# KiCad board ImogenWren.kicad_pcb
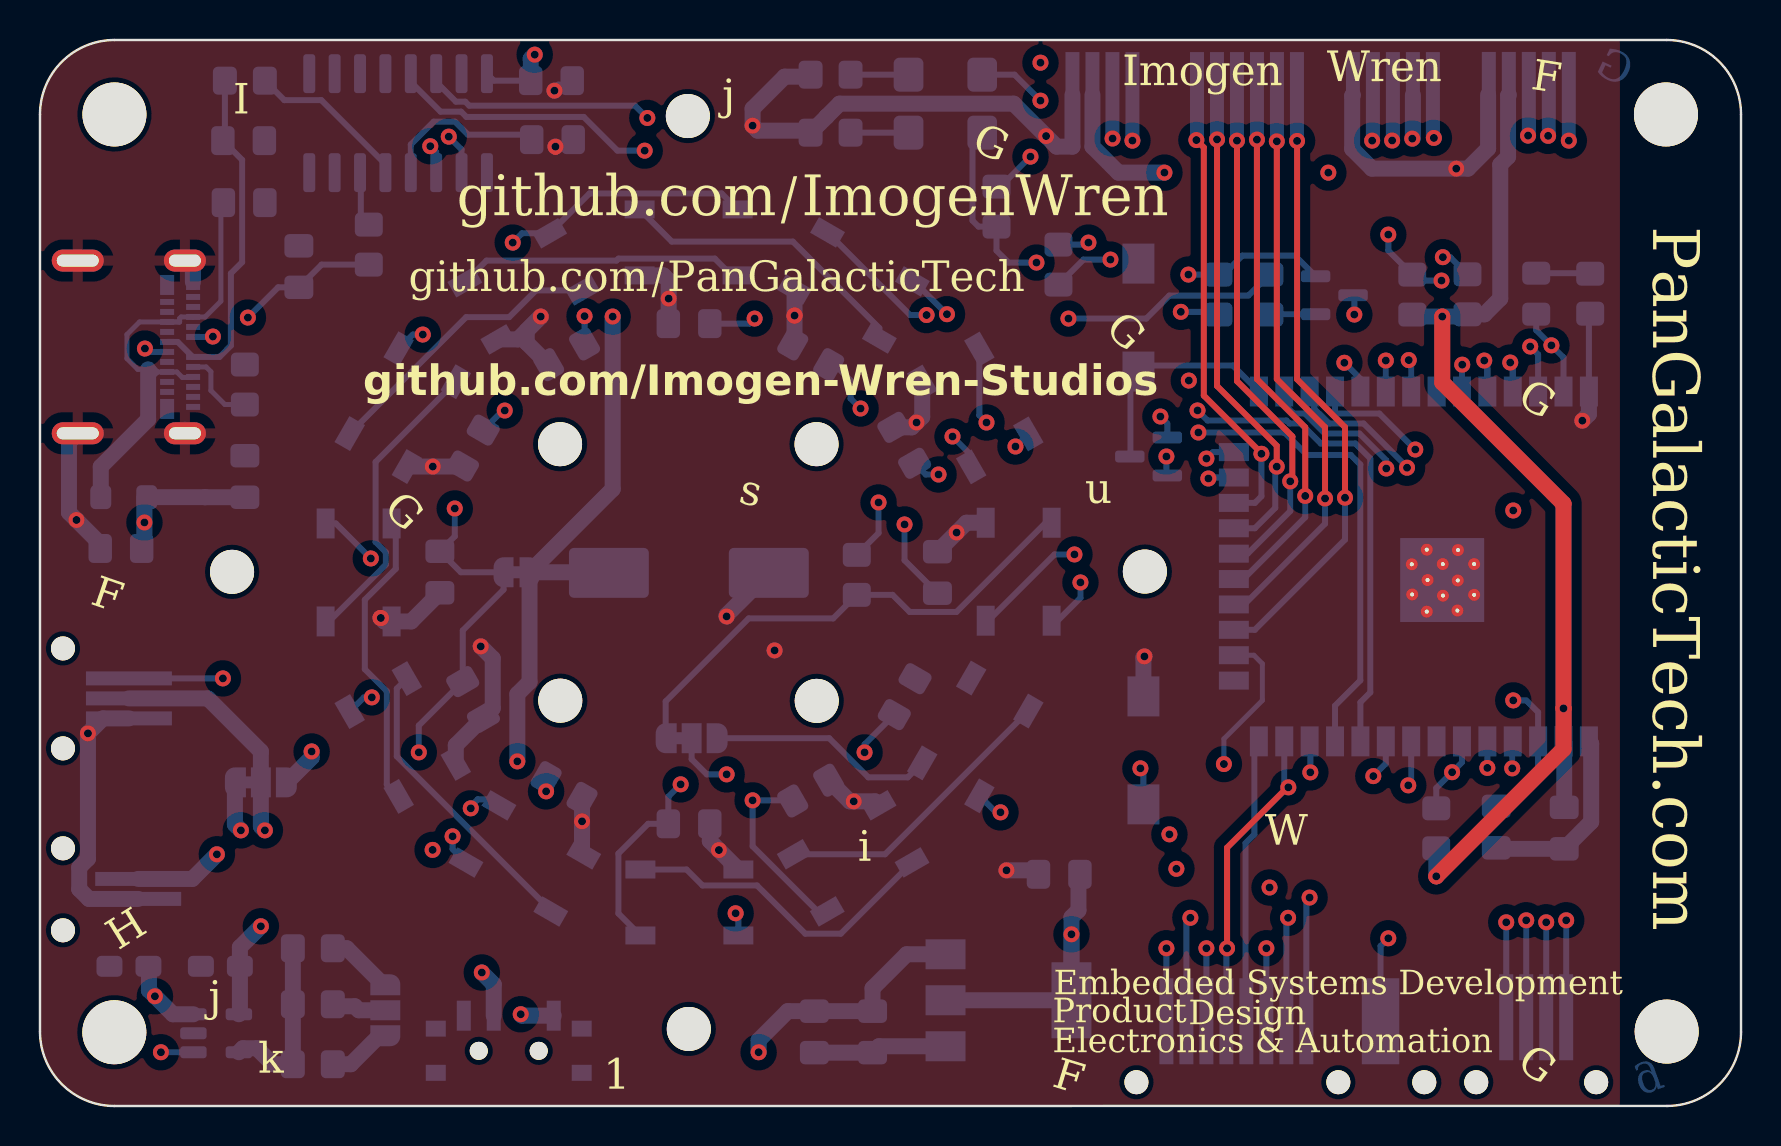
[diagram p0: board, top side]
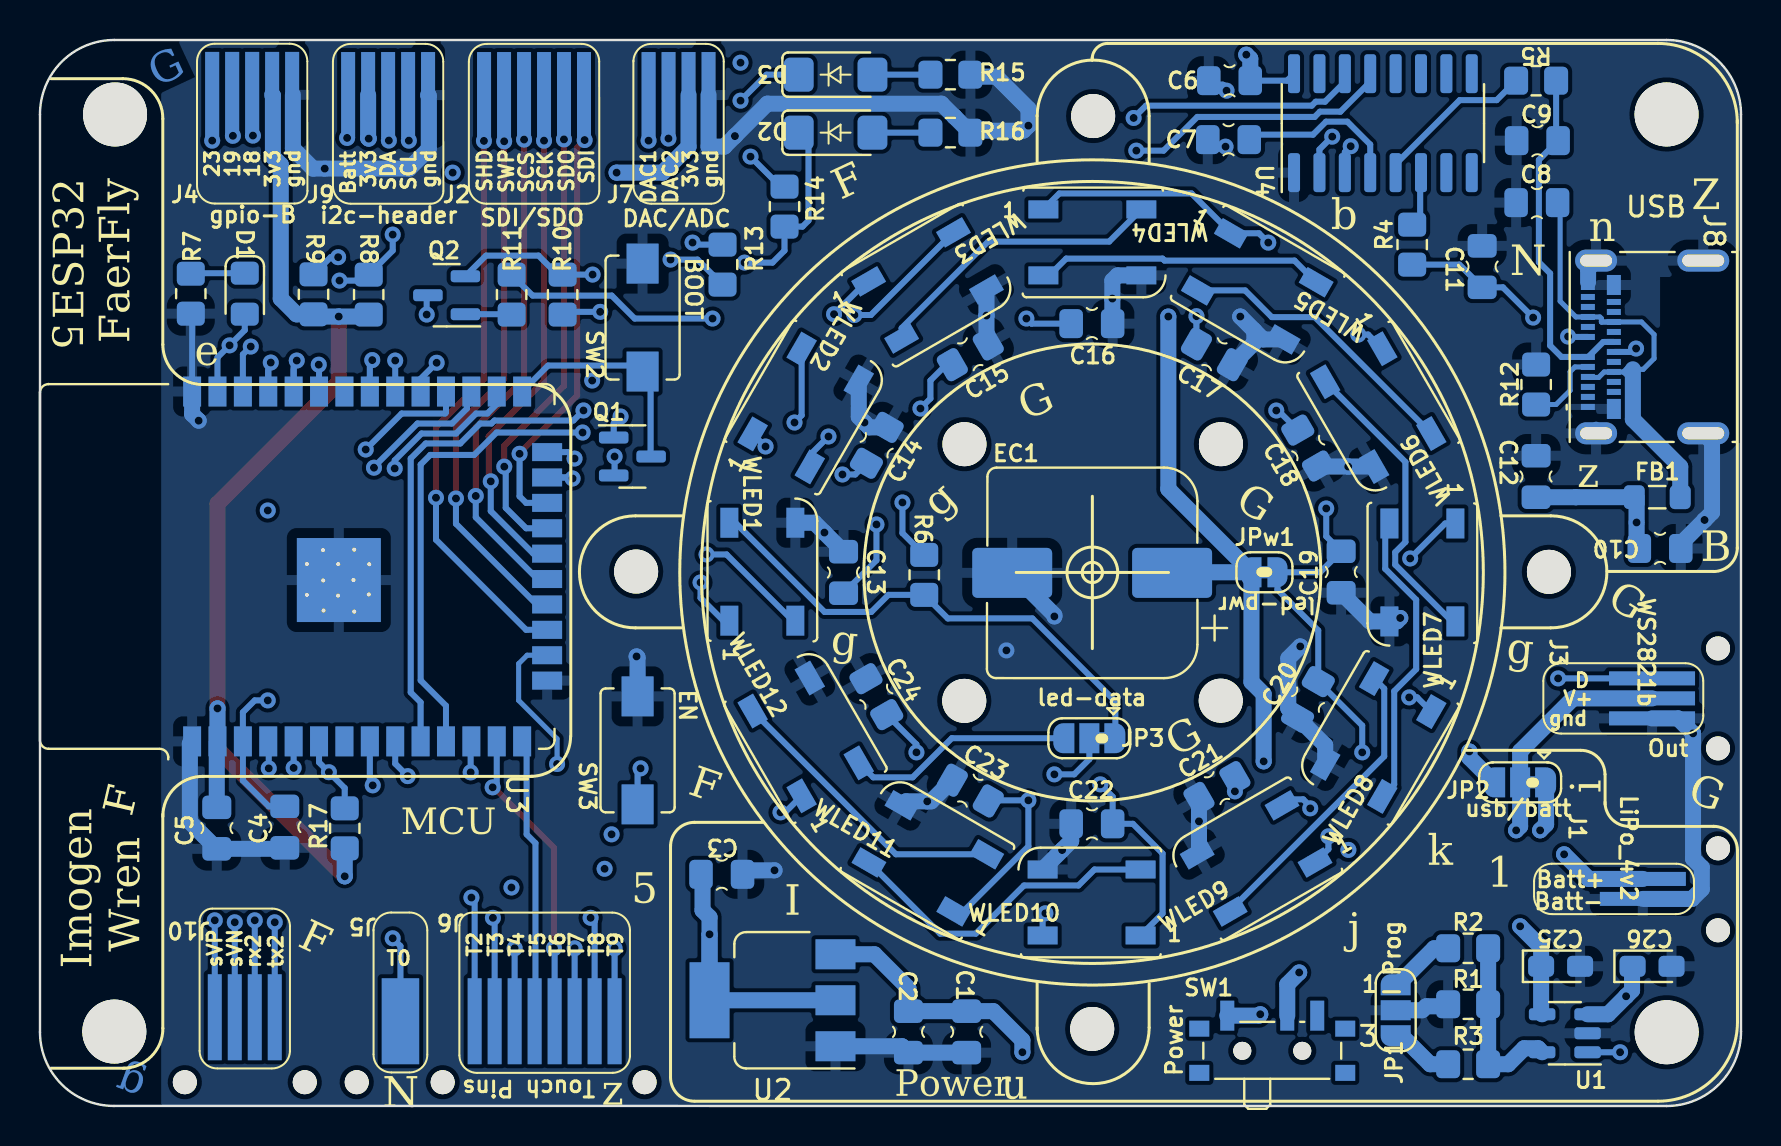
[diagram p1: board, bottom side, seen from below]

Outline 85.1 x 53.33 mm; copper layers: Top, In1.Cu, In2.Cu, Bottom. Coordinates in mm from the lower left corner of the outline.
Stack: Top 0.035mm / dielectric 0.1mm FR4 er 4.5 / In1.Cu 0.035mm / dielectric 1.24mm FR4 er 4.5 / In2.Cu 0.035mm / dielectric 0.1mm FR4 er 4.5 / Bottom 0.035mm

## Placement (name value [footprint] x y rotation side)
C1  100n  [C_0805_2012_HandSolder_kawaii]  38.74 3.71 270 bottom
C2  100n  [C_0805_2012_HandSolder_kawaii]  41.65 3.71 270 bottom
C3  100n  [C_0805_2012_HandSolder_kawaii]  50.99 11.59 180 bottom
C4  100n  [C_0805_2012_HandSolder_kawaii]  72.85 13.95 270 bottom
C5  100n  [C_0805_2012_HandSolder_kawaii]  76.25 13.9 270 bottom
C6  100n  [C_0805_2012_HandSolder_kawaii]  25.59 51.29 0 bottom
C7  100n  [C_0805_2012_HandSolder_kawaii]  25.64 48.34 0 bottom
C8  10n  [C_0805_2012_HandSolder_kawaii]  10.21 45.19 0 bottom
C9  47p  [C_0805_2012_HandSolder_kawaii]  10.19 48.29 0 bottom
C10  100n  [C_0805_2012_HandSolder_kawaii]  4.05 27.89 180 bottom
C11  47p  [C_0805_2012_HandSolder_kawaii]  12.95 41.99 90 bottom
C12  4n7  [C_0805_2012_HandSolder_kawaii]  10.25 31.49 90 bottom
C13  100n  [C_0805_2012_HandSolder_kawaii]  44.9 26.69 90 bottom
C14  100n  [C_0805_2012_HandSolder_kawaii]  43.23 33.05 120 bottom
C15  100n  [C_0805_2012_HandSolder_kawaii]  38.56 37.6 150 bottom
C16  100n  [C_0805_2012_HandSolder_kawaii]  32.47 39.14 180 bottom
C17  100n  [C_0805_2012_HandSolder_kawaii]  26.34 37.6 210 bottom
C18  100n  [C_0805_2012_HandSolder_kawaii]  21.66 32.91 240 bottom
C19  100n  [C_0805_2012_HandSolder_kawaii]  20 26.71 270 bottom
C20  100n  [C_0805_2012_HandSolder_kawaii]  21.67 20.33 300 bottom
C21  100n  [C_0805_2012_HandSolder_kawaii]  26.22 15.91 330 bottom
C22  100n  [C_0805_2012_HandSolder_kawaii]  32.47 14.12 0 bottom
C23  100n  [C_0805_2012_HandSolder_kawaii]  38.56 15.78 30 bottom
C24  100n  [C_0805_2012_HandSolder_kawaii]  43.26 20.48 60 bottom
C25  4u7  [CP_EIA-2012-12_Kemet-R_Pad1.30x1.05mm_HandSolder]  9.03 6.99 180 bottom
C26  4u7  [CP_EIA-2012-12_Kemet-R_Pad1.30x1.05mm_HandSolder]  4.45 6.99 180 bottom
D1  Blue  [LED_0805_2012_Kawaii]  74.85 40.63 270 bottom
D2  BZV55B3V3  [D_MiniMELF_kawaii]  45.3 48.69 180 bottom
D3  BZV55B3V3  [D_MiniMELF_kawaii]  45.3 51.59 180 bottom
EC1  1000u  [CP_Elec_10x10_kawaii]  32.46 26.67 0 bottom
FB1  FerriteBead  [L_0805_2012Metric_Pad1.05x1.20mm_HandSolder]  4.19 30.46 0 bottom
G***  LOGO  [ImogenWren70_MSK]  36.85 25.79 0 top
J1  LiPo_4v2  [2-pin-edge]  4.37 11.38 90 bottom
J2  SDI/SDO  [6-pin-edge-touch]  59.87 50.04 0 bottom
J3  WS2821b  [3-pin-edge]  5.92 20.24 90 bottom
J4  gpio-B  [5-pin-edge-touch]  75.4 50.13 0 bottom
J5  touch0  [1-pin-edge-touch-xl]  67.65 4.24 180 bottom
J6  Touch Pins  [8-pin-edge-touch]  63.35 4.24 180 bottom
J7  DAC/ADC  [4-pin-edge]  53.65 49.89 0 bottom
J8  USB_C_Receptacle  [USB_C_Receptacle_Molex_105450-0101]  4.45 37.97 90 bottom
J9  i2c-header  [5-pin-edge-touch]  68.6 50.12 0 bottom
J10  ESPpin1-4  [4-pin-edge]  74.35 5.12 180 bottom
JP1  I Prog  [SolderJumper-3_P1.3mm_Open_RoundedPad1.0x1.5mm_NumberLabels]  17.28 4.79 270 bottom
JP2  usb/batt  [SolderJumper-3_P1.3mm_Bridged12_RoundedPad1.0x1.5mm]  11.05 16.19 0 bottom
JP3  led-data  [SolderJumper-3_P1.3mm_Bridged12_RoundedPad1.0x1.5mm]  32.6 18.4 0 bottom
JPw1  led-pwr  [SolderJumper-2_P1.3mm_Bridged_RoundedPad1.0x1.5mm]  23.84 26.7 180 bottom
Q1  BC817  [SOT-23]  55.46 32.49 180 bottom
Q2  BC817  [SOT-23]  64.75 40.56 0 bottom
R1  10k  [R_0805_2012Metric_Pad1.20x1.40mm_HandSolder]  13.65 5.09 0 bottom
R2  10k  [R_0805_2012Metric_Pad1.20x1.40mm_HandSolder]  13.65 7.89 0 bottom
R3  4k7  [R_0805_2012Metric_Pad1.20x1.40mm_HandSolder]  13.65 2.09 0 bottom
R4  27r  [R_0805_2012Metric_Pad1.20x1.40mm_HandSolder]  16.45 43.09 270 bottom
R5  27r  [R_0805_2012Metric_Pad1.20x1.40mm_HandSolder]  10.25 51.29 180 bottom
R6  470r  [R_0805_2012Metric_Pad1.20x1.40mm_HandSolder]  40.86 26.57 90 bottom
R7  330r  [R_0805_2012Metric_Pad1.20x1.40mm_HandSolder]  77.55 40.63 270 bottom
R8  10k  [R_0805_2012Metric_Pad1.20x1.40mm_HandSolder]  68.65 40.59 90 bottom
R9  10k  [R_0805_2012Metric_Pad1.20x1.40mm_HandSolder]  71.41 40.6 90 bottom
R10  10k  [R_0805_2012Metric_Pad1.20x1.40mm_HandSolder]  58.95 40.59 270 bottom
R11  10k  [R_0805_2012Metric_Pad1.20x1.40mm_HandSolder]  61.5 40.59 270 bottom
R12  5k2  [R_0805_2012Metric_Pad1.20x1.40mm_HandSolder]  10.25 36.09 270 bottom
R13  1k  [R_0805_2012Metric_Pad1.20x1.40mm_HandSolder]  50.95 42.09 270 bottom
R14  1k  [R_0805_2012Metric_Pad1.20x1.40mm_HandSolder]  47.85 44.99 270 bottom
R15  100r  [R_0805_2012Metric_Pad1.20x1.40mm_HandSolder]  39.55 51.59 0 bottom
R16  100r  [R_0805_2012Metric_Pad1.20x1.40mm_HandSolder]  39.55 48.69 0 bottom
R17  1k  [R_0805_2012Metric_Pad1.20x1.40mm_HandSolder]  69.85 13.89 270 bottom
REF**  -  [MountingHole_2.1mm_1]  1.15 12.89 0 top
REF**#2  -  [MountingHole_2.1mm_1]  69.25 1.19 0 top
REF**#3  -  [MountingHole_2.1mm_1]  64.95 1.19 0 top
REF**#4  -  [MountingHole_2.1mm_1]  1.15 17.89 0 top
REF**#5  -  [MountingHole_2.2mm_M2]  55.27 26.74 0 top
REF**#6  -  [MountingHole_2.1mm_1]  77.85 1.19 0 top
REF**#7  -  [MountingHole_2.1mm_1]  1.15 8.79 0 top
REF**#8  -  [cu_heart]  59.6 46.46 0 top
REF**#9  -  [MountingHole_2.2mm_M2]  32.46 3.85 0 top
REF**#10  -  [MountingHole_2.2mm_M2]  9.61 26.72 0 top
REF**#11  -  [MountingHole_2.2mm_M2]  32.41 49.52 0 top
REF**#12  -  [MountingHole_2.1mm_1]  1.15 22.89 0 top
REF**#13  -  [CreditCard_M3]  40.65 27.29 0 top
REF**#14  -  [MountingHole_2.2mm_M2]  38.86 20.27 0 top
REF**#15  -  [MountingHole_2.2mm_M2]  38.85 33.11 0 top
REF**#16  -  [MountingHole_2.2mm_M2]  26.02 33.11 0 top
REF**#17  -  [MountingHole_2.2mm_M2]  26.03 20.28 0 top
REF**#18  -  [MountingHole_2.1mm_1]  54.85 1.19 0 top
REF**#19  -  [MountingHole_2.1mm_1]  71.85 1.19 0 top
SW1  SW_SPDT_small  [SW_SPDT_PCM12]  23.45 3.09 180 bottom
SW2  BOOT  [SW_SPST_EVQPE1]  54.95 39.44 90 bottom
SW3  EN  [SW_SPST_EVQPE1]  55.2 17.79 90 bottom
U1  MCP73831-2-OT  [SOT-23-5]  8.81 3.64 0 bottom
U2  AMS1117-3.3  [SOT-223-3_TabPin2_1]  48.45 5.29 0 bottom
U3  ESP32-WROOM-32  [ESP32-WROOM-32_KAWAII]  69.24 26.99 90 bottom
U4  CH340C  [SOIC-16_3.9x9.9mm_P1.27mm]  17.92 49.16 90 bottom
WLED1  WS2812B  [LED_WS2812B_PLCC4_5.0x5.0mm_P3.2mm]  48.96 26.73 90 bottom
WLED2  WS2812B  [LED_WS2812B_PLCC4_5.0x5.0mm_P3.2mm]  46.79 34.92 120 bottom
WLED3  WS2812B  [LED_WS2812B_PLCC4_5.0x5.0mm_P3.2mm]  40.69 41.05 150 bottom
WLED4  WS2812B  [LED_WS2812B_PLCC4_5.0x5.0mm_P3.2mm]  32.45 43.2 180 bottom
WLED5  WS2812B  [LED_WS2812B_PLCC4_5.0x5.0mm_P3.2mm]  24.2 41 210 bottom
WLED6  WS2812B  [LED_WS2812B_PLCC4_5.0x5.0mm_P3.2mm]  18.15 34.93 240 bottom
WLED7  WS2812B  [LED_WS2812B_PLCC4_5.0x5.0mm_P3.2mm]  15.94 26.69 270 bottom
WLED8  WS2812B  [LED_WS2812B_PLCC4_5.0x5.0mm_P3.2mm]  18.15 18.43 300 bottom
WLED9  WS2812B  [LED_WS2812B_PLCC4_5.0x5.0mm_P3.2mm]  24.26 12.38 330 bottom
WLED10  WS2812B  [LED_WS2812B_PLCC4_5.0x5.0mm_P3.2mm]  32.49 10.18 0 bottom
WLED11  WS2812B  [LED_WS2812B_PLCC4_5.0x5.0mm_P3.2mm]  40.68 12.39 30 bottom
WLED12  WS2812B  [LED_WS2812B_PLCC4_5.0x5.0mm_P3.2mm]  46.79 18.46 60 bottom

## Library data of the parts
C1-C24 = -: Description: Unpolarized capacitor
C25 C26 EC1 = -: Description: Polarized capacitor
D1 = -: Description: Light emitting diode
D2 D3 = -: Description: 3.3V, 500mW, 2%, Zener diode, MiniMELF
FB1 = -: Description: Ferrite bead
J1 = -: Description: PCI Express bus connector x1; PIN1: Batt-; PIN2: Batt+; Field6: PCB Thickness 1.57 mm
J2 = -: Description: PCI Express bus connector x1; PIN1: SDI; PIN2: SDO; PIN3: SCK; PIN4: SCS; PIN5: SWP; PIN6: SHD; Field10: PCB Thickness 1.57 mm
J3 = -: Description: PCI Express bus connector x1; PIN1: gnd; PIN2: V+; PIN3: D; Field7: PCB Thickness 1.57 mm
J4 = -: Description: PCI Express bus connector x1; PIN1: gnd; PIN2: 3v3; PIN3: 18; PIN4: 19; PIN5: 23; Field9: PCB Thickness 1.57 mm
J5 = -: Description: PCI Express bus connector x1; PIN1: T0; Field5: PCB Thickness 1.57 mm
J6 = -: Description: PCI Express bus connector x1; PIN1: T2; PIN2: T3; PIN3: T4; PIN4: T5; PIN5: T6; PIN6: T7; PIN7: T8; PIN8: T9; Field12: PCB Thickness 1.57 mm
J7 = -: Description: PCI Express bus connector x1; PIN1: gnd; PIN2: 3v3; PIN3: DAC_2; PIN4: DAC_1; Field8: PCB Thickness 1.57 mm
J8 = -: Description: USB Full-Featured Type-C Receptacle connector
J9 = -: Description: PCI Express bus connector x1; PIN1: GND; PIN2: SCL; PIN3: SDA; PIN4: 3v3; PIN5: Batt; Field9: PCB Thickness 1.57 mm
J10 = -: Description: PCI Express bus connector x1; PIN1: sVP; PIN2: sVN; PIN3: rx2; PIN4: tx2; Field8: PCB Thickness 1.57 mm
JP1 = -: Description: Solder Jumper, 3-pole, open
JP2 JP3 = -: Description: Jumper, 3-pole, pins 1+2 closed/bridged
JPw1 = -: Description: Jumper, 2-pole, open
Q1 Q2 = -: Description: 0.8A Ic, 45V Vce, NPN Transistor, SOT-23
R1-R17 = -: Description: Resistor
SW1 = -: Description: Switch, single pole double throw; NAME: Power
SW2 SW3 = -: Description: MEC 5E single pole normally-open tactile switch
U1 = -: Description: Single cell, Li-Ion/Li-Po charge management controller, 4.20V, Tri-State Status Output, in SOT23-5 package
U2 = -: Description: 1A Low Dropout regulator, positive, 3.3V fixed output, SOT-223
U3 = -: Description: RF Module, ESP32-D0WDQ6 SoC, Wi-Fi 802.11b/g/n, Bluetooth, BLE, 32-bit, 2.7-3.6V, onboard antenna, SMD
U4 = -: Description: USB serial converter, UART, SOIC-16
WLED1-WLED12 = -: Description: RGB LED with integrated controller

## Footprints (pads in the part's own frame, mm; a bottom-side part is the same pattern mirrored in y, then rotated)
1-pin-edge-touch-xl
  rect 1.874x4.3 smd: A1(0.587,0)
2-pin-edge
  rect 0.7x4.3 smd: A1(-1.02,0.54) A2(-0.02,0.54)
3-pin-edge
  rect 0.7x4.3 smd: A1(-0.85,-1.47) A2(0.15,-1.47) A3(1.15,-1.47)
4-pin-edge
  rect 0.7x4.3 smd: A1(-2,-0.68) A2(-1,-0.68) A3(0,-0.68) A4(1,-0.68)
5-pin-edge-touch
  rect 0.7x4.3 smd: A1(-2.92,-0.45) A2(-1.92,-0.45) A3(-0.92,-0.45) A4(0.08,-0.45) A5(1.08,-0.45)
6-pin-edge-touch
  rect 0.7x4.3 smd: A1(-1.988,-0.53) A2(-0.988,-0.53) A3(0.012,-0.53) A4(1.012,-0.53) A5(2.012,-0.53) A6(3.012,-0.53)
8-pin-edge-touch
  rect 0.7x4.3 smd: A1(0,0) A2(1,0) A3(2,0) A4(3,0) A5(4,0) A6(5,0) A7(6,0) A8(7,0)
C_0805_2012_HandSolder_kawaii
  rrect 1.175x1.45 smd: 1(-1.038,0) 2(1.038,0)
CP_EIA-2012-12_Kemet-R_Pad1.30x1.05mm_HandSolder
  rrect 1.3x1.05 smd: 1(-0.975,0) 2(0.975,0)
CP_Elec_10x10_kawaii
  rrect 4x2.5 smd: 1(-4,0) 2(4,0)
CreditCard_M3
  round 3.2 hole 3.2 unplated: (-36.93,-23.6) (-36.925,22.31) (40.69,22.31) (40.726,-23.566)
D_MiniMELF_kawaii
  rrect 1.48x1.7 smd: 1(-1.84,0)
  rrect 1.49x1.7 smd: 2(1.845,0)
ESP32-WROOM-32_KAWAII
  rect 1.5x0.9 smd: 1(-8.75,8.25) 2(-8.75,6.98) 3(-8.75,5.71) 4(-8.75,4.44) 5(-8.75,3.17) 6(-8.75,1.9) 7(-8.75,0.63) 8(-8.75,-0.64) 9(-8.75,-1.91) 10(-8.75,-3.18) 11(-8.75,-4.45) 12(-8.75,-5.72) 13(-8.75,-6.99) 14(-8.75,-8.26) 25(8.75,-8.26) 26(8.75,-6.99) 27(8.75,-5.72) 28(8.75,-4.45) 29(8.75,-3.18) 30(8.75,-1.91) 31(8.75,-0.64) 32(8.75,0.63) 33(8.75,1.9) 34(8.75,3.17) 35(8.75,4.44) 36(8.75,5.71) 37(8.75,6.98) 38(8.75,8.25)
  rect 0.9x1.5 smd: 15(-5.71,-9.51) 16(-4.44,-9.51) 17(-3.17,-9.51) 18(-1.9,-9.51) 19(-0.63,-9.51) 20(0.64,-9.51) 21(1.91,-9.51) 22(3.18,-9.51) 23(4.45,-9.51) 24(5.72,-9.51)
  round 0.6 hole 0.2: 39(-2.26,0.14) 39(-2.205,1.673) 39(-1.46,0.95) 39(-1.42,2.51) 39(-1.4,-0.59) 39(-0.7,1.69) 39(-0.68,0.18) 39(0.11,-0.61) 39(0.12,0.94) 39(0.12,2.51) 39(0.82,1.7) 39(0.84,0.14)
  rect 1.05x1.05 smd: 39(-2.205,-0.615) 39(-2.205,0.91) 39(-2.205,2.435) 39(-0.68,-0.615) 39(-0.68,0.91) 39(-0.68,2.435) 39(0.845,-0.615) 39(0.845,0.91) 39(0.845,2.435)
  rect 4.2x4.2 smd: 39(-0.68,0.91)
L_0805_2012Metric_Pad1.05x1.20mm_HandSolder
  rrect 1.05x1.2 smd: 1(-1.15,0) 2(1.15,0)
LED_0805_2012_Kawaii
  rrect 1.15x1.4 smd: 1(-1.025,0) 2(1.025,0)
LED_WS2812B_PLCC4_5.0x5.0mm_P3.2mm
  rect 1.5x0.9 smd: 1(-2.45,1.65) 2(-2.45,-1.65) 3(2.45,-1.65) 4(2.45,1.65)
MountingHole_2.1mm_1
  round 1.2 hole 1.2 unplated: (0,0)
MountingHole_2.2mm_M2
  round 2.2 hole 2.2 unplated: (0,0)
R_0805_2012Metric_Pad1.20x1.40mm_HandSolder
  rrect 1.2x1.4 smd: 1(-1,0) 2(1,0)
SOIC-16_3.9x9.9mm_P1.27mm
  rrect 1.95x0.6 smd: 1(-2.475,4.445) 2(-2.475,3.175) 3(-2.475,1.905) 4(-2.475,0.635) 5(-2.475,-0.635) 6(-2.475,-1.905) 7(-2.475,-3.175) 8(-2.475,-4.445) 9(2.475,-4.445) 10(2.475,-3.175) 11(2.475,-1.905) 12(2.475,-0.635) 13(2.475,0.635) 14(2.475,1.905) 15(2.475,3.175) 16(2.475,4.445)
SolderJumper-2_P1.3mm_Bridged_RoundedPad1.0x1.5mm
  custom 1x1.5 smd: 1(-0.65,0) 2(0.65,0)
SolderJumper-3_P1.3mm_Bridged12_RoundedPad1.0x1.5mm
  custom 1.05x1.5 smd: 1(-1.3,0) 3(1.3,0)
  rect 1x1.5 smd: 2(0,0)
SolderJumper-3_P1.3mm_Open_RoundedPad1.0x1.5mm_NumberLabels
  custom 1.05x1.5 smd: 1(-1.3,0) 3(1.3,0)
  rect 1x1.5 smd: 2(0,0)
SOT-23
  rrect 1.475x0.6 smd: 1(-0.938,0.95) 2(-0.938,-0.95) 3(0.938,0)
SOT-23-5
  rrect 1.325x0.6 smd: 1(-1.137,0.95) 2(-1.137,0) 3(-1.137,-0.95) 4(1.137,-0.95) 5(1.137,0.95)
SOT-223-3_TabPin2_1
  rect 2x1.5 smd: 1(-3.15,2.3) 2(-3.15,0) 3(-3.15,-2.3)
  rect 2x3.8 smd: 2(3.15,0)
SW_SPDT_PCM12
  rect 1x0.8 smd: (-3.65,-1.43) (-3.65,0.78) (3.65,-1.43) (3.65,0.78)
  round 0.9 hole 0.9 unplated: (-1.5,-0.33) (1.5,-0.33)
  rect 0.7x1.5 smd: 1(-2.25,1.43) 2(0.75,1.43) 3(2.25,1.43)
SW_SPST_EVQPE1
  rect 2x1.6 smd: 1(-2.7,0) 2(2.7,0)
USB_C_Receptacle_Molex_105450-0101
  rect 0.3x0.7 smd: A1(-3,3.215) A2(-2.5,3.215) A3(-2,3.215) A4(-1.5,3.215) A5(-1,3.215) A6(-0.5,3.215) A7(0.5,3.215) A8(1,3.215) A9(1.5,3.215) A10(2,3.215) A11(2.5,3.215) A12(3,3.215) B2(2.25,1.915) B3(1.75,1.915) B4(1.25,1.915) B5(0.75,1.915) B6(0.25,1.915) B7(-0.25,1.915) B8(-0.75,1.915) B9(-1.25,1.915) B10(-1.75,1.915) B11(-2.25,1.915)
  rect 1x0.7 smd: B1(3.1,1.915) B12(-3.1,1.915)
  oval 1.1x2.6 hole 0.6x2.1: S1(-4.32,-2.555) S1(4.32,-2.555)
  oval 1.1x2.1 hole 0.6x1.6: S1(-4.32,2.805) S1(4.32,2.805)

## Nets
/ESP32/3V3_BUS: C3.1 C5.1 J4.A2 J7.A2 J9.A4 R8.1 R9.1 R17.2 U2.2 U3.2
/WS2812b LEDs/5V_IN: C13.1 C14.1 C15.1 C16.1 C17.1 C18.1 C19.1 C20.1 C21.1 C22.1 C23.1 C24.1 JPw1.2 WLED1.1 WLED2.1 WLED3.1 WLED4.1 WLED5.1 WLED6.1 WLED7.1 WLED8.1 WLED9.1 WLED10.1 WLED11.1 WLED12.1
GND: C1.2 C2.2 C3.2 C4.2 C5.2 C6.2 C7.2 C8.2 C9.2 C10.2 C11.2 C12.2 C13.2 C14.2 C15.2 C16.2 C17.2 C18.2 C19.2 C20.2 C21.2 C22.2 C23.2 C24.2 C25.2 C26.2 EC1.2 J1.A1 J3.A1 J4.A1 J7.A1 J8.A1 J8.A12 J8.B1 J8.B12 J8.S1 J9.A1 JP1.2 R1.2 R7.2 R12.1 R15.1 R16.1 SW2.2 SW3.2 U1.2 U2.1 U3.1 U3.15 U3.38 U3.39 U4.1 WLED1.3 WLED2.3 WLED3.3 WLED4.3 WLED5.3 WLED6.3 WLED7.3 WLED8.3 WLED9.3 WLED10.3 WLED11.3 WLED12.3
18: J4.A3 U3.30
19: J4.A4 U3.31
23: D1.2 J4.A5 U3.37
/BATTERY_POWER: C26.1 JP2.1 SW1.1 U1.3
/BATTERY_POWER_BUS: C1.1 C2.1 C6.1 EC1.1 J3.A2 J9.A5 JP2.2 JPw1.1 U2.3 U4.16
/CHARGE_STATUS: R17.1 U1.1 U3.6
/ESP32/D+: R5.1 U4.5
/ESP32/D-: R4.1 U4.6
/ESP32/LED_DATA_OUT: R6.2 U3.29
/ESP32/SSERIAL_RX: J10.A3 U3.28
/ESP32/SSERIAL_TX: J10.A4 U3.27
/ESP32/USB ESP32 CH340 Interface /ESP_EN: C4.1 Q2.3 SW3.1 U3.3
/ESP32/USB ESP32 CH340 Interface /ESP_IO0: Q1.3 SW2.1 U3.25
/ESP32/USB ESP32 CH340 Interface /RxD_B: U3.35 U4.3
/ESP32/USB ESP32 CH340 Interface /TxD_B: U3.34 U4.2
/USB/D+: C9.1 J8.A6 J8.B6 R5.2
/USB/D-: C11.1 J8.A7 J8.B7 R4.2
/USB_POWER: C10.1 C12.1 C25.1 FB1.2 JP2.3 U1.4
/WS2812b LEDs/DATA_IN: JP3.1 R6.1 WLED1.4
/WS2812b LEDs/DATA_OUT: JP3.3 WLED12.2
SCL: J9.A2 R8.2 U3.36
SDA: J9.A3 R9.2 U3.33
Net-(C8-Pad1): C8.1 FB1.1 J8.A4 J8.A9 J8.B4 J8.B9
Net-(D1-K): D1.1 R7.1
Net-(D2-A): D2.2 R16.2
Net-(D2-K): D2.1 R14.2 U3.11
Net-(D3-A): D3.2 R15.2
Net-(D3-K): D3.1 R13.2 U3.10
Net-(J7-PadA3): J7.A3 R14.1
Net-(J7-PadA4): J7.A4 R13.1
Net-(J8-CC1): J8.A5 R12.2
Net-(JP1-A): JP1.1 R2.2
Net-(JP1-B): JP1.3 R3.2
Net-(JP3-C): J3.A3 JP3.2
Net-(Q1-B): Q1.1 R10.2
Net-(Q1-E): Q1.2 R11.1 U4.13
Net-(Q2-B): Q2.1 R11.2
Net-(Q2-E): Q2.2 R10.1 U4.14
Net-(SW1-B): J1.A2 SW1.2
Net-(U1-PROG): R1.1 R2.1 R3.1 U1.5
Net-(U3-GPIO2(T2)): J6.A1 U3.24
Net-(U3-GPIO4(T0)): J5.A1 U3.26
Net-(U3-GPIO12(T5)): J6.A4 U3.14
Net-(U3-GPIO13(T4)): J6.A3 U3.16
Net-(U3-GPIO14(T6)): J6.A5 U3.13
Net-(U3-GPIO15(T3)): J6.A2 U3.23
Net-(U3-GPIO27(T7)): J6.A6 U3.12
Net-(U3-GPIO32(T9)): J6.A8 U3.8
Net-(U3-GPIO33(T8)): J6.A7 U3.9
Net-(U3-SCK/CLK): J2.A3 U3.20
Net-(U3-SCS/CMD): J2.A4 U3.19
Net-(U3-SDI/SD1): J2.A1 U3.22
Net-(U3-SDO/SD0): J2.A2 U3.21
Net-(U3-SENSOR_VN): J10.A2 U3.5
Net-(U3-SENSOR_VP): J10.A1 U3.4
Net-(U3-SHD/SD2): J2.A6 U3.17
Net-(U3-SWP/SD3): J2.A5 U3.18
Net-(U4-V3): C7.1 U4.4
Net-(WLED1-DOUT): WLED1.2 WLED2.4
Net-(WLED2-DOUT): WLED2.2 WLED3.4
Net-(WLED3-DOUT): WLED3.2 WLED4.4
Net-(WLED4-DOUT): WLED4.2 WLED5.4
Net-(WLED5-DOUT): WLED5.2 WLED6.4
Net-(WLED6-DOUT): WLED6.2 WLED7.4
Net-(WLED7-DOUT): WLED7.2 WLED8.4
Net-(WLED8-DOUT): WLED8.2 WLED9.4
Net-(WLED10-DIN): WLED9.2 WLED10.4
Net-(WLED10-DOUT): WLED10.2 WLED11.4
Net-(WLED11-DOUT): WLED11.2 WLED12.4

Pads without a net: J8 A2 A3 A8 A10 A11 B2 B3 B5 B8 B10 B11; SW1 3; U3 7 32; U4 7 8 9 10 11 12 15

## Via types
v1: diameter 0.8, hole 0.4, Top to Bottom, 159 vias

## Routing (per net, layer and track width the routed paths; a pad name or vN(x,y) marks a point on that pad's centre or on a via; arc(x,y) is an arc through that point)
/ESP32/3V3_BUS: length 125.8
  Top w0.8: v1(69.85,11.49) 76.22,17.86 v1(76.22,19.89) 76.22,30.12 70.15,36.19 v1(70.15,39.49)
  In1.Cu w0.8: v1(56.25,46.69) v1(64.45,46.69) 67.45,46.69 68.65,47.89 v1(68.65,48.39) ; v1(69.85,11.49) 68.35,11.49 61.65,4.79 55.4,4.79 v1(51.6,8.59)
  In2.Cu w0.8: v1(70.15,39.49) 69.11,40.53 68.31,40.53 64.45,44.39 v1(64.45,46.69)
  Bottom w0.8: C5.1 76.25,18.2 ; U3.2 v1(76.22,19.89) ; 68.75,39.49 v1(70.15,39.49) 71.3,39.49 ; J4.A2 73.44,50.54 73.44,47.48 73.05,47.09 73.05,40.39 72.26,39.6 R9.1 ; U2.2 52.15,5.29 ; v1(51.6,8.59) U2.2 51.6,9.44 51.95,9.79 51.95,11.51 ; R17.2 v1(69.85,11.49) ; v1(56.25,46.69) 53.95,46.69 52.65,47.99 J7.A2 ; J9.A4 68.68,48.42 v1(68.65,48.39)
/WS2812b LEDs/5V_IN: length 199.4
  In1.Cu w0.3: v1(43.25,29.09) 43.25,29.89 v1(44.95,31.59) 44.45,31.59 41.15,34.89 v1(41.05,34.89) ; v1(19.15,38.59) 19.45,38.59 v1(23.25,34.79) ; v1(25.32,15.74) 25.67,16.09 v1(32.05,16.09) 32.85,15.29 v1(35.65,15.29) 38.05,17.69 v1(41.25,17.69) 41.6,18.04 44.7,18.04 v1(48.05,14.69) ; v1(25.32,15.74) 23.07,13.49 v1(20.64,13.49) ; v1(25.32,15.74) 25.32,17.1 23.93,18.49 19.75,18.49 v1(18.95,17.69) 18.95,18.09 v1(16.6,20.44) ; v1(23.25,34.79) 23.25,32.39 v1(20.75,29.89) 20.75,28.49 19.65,27.39 v1(16.55,27.39) ; v1(23.25,34.79) 27.24,38.78 v1(27.24,39.51) ; v1(27.24,39.51) 23.65,43.1 v1(23.65,43.19) ; v1(27.24,39.51) 28.01,38.74 35.1,38.74 v1(35.75,39.39) 36.55,39.39 v1(41.05,34.89) ; v1(41.05,34.89) 41.25,34.89 45.37,39.01 v1(45.37,39.61)
  In2.Cu w0.3: v1(44.95,31.59) 47.4,31.59 v1(48.8,32.99) ; v1(43.25,29.09) 44.65,27.69 50.55,27.69 v1(52.05,26.19)
  Bottom w0.3: 33.51,39.14 35.5,39.14 v1(35.75,39.39) ; v1(23.65,43.19) 24.12,43.66 WLED5.1 27.49,45.65 34.1,45.65 WLED4.1 ; WLED9.1 20.64,12.85 v1(20.64,13.49) ; v1(44.95,31.59) 44.31,31.59 C14.1 ; WLED7.1 14.8,29.14 v1(16.55,27.39) ; 50.61,23.98 52.05,25.42 v1(52.05,26.19) ; WLED2.1 48.81,32.99 v1(48.8,32.99) ; 37.66,15.26 37.63,15.29 v1(35.65,15.29) 35.65,12.99 38.91,9.74 WLED11.1 ; v1(20.75,29.89) 20.75,28.49 C19.1 21.05,26.7 JPw1.2 23.19,25.83 21.15,23.79 21.15,21.23 C20.1 18.95,19.03 v1(18.95,17.69) ; WLED6.1 18.65,38.59 v1(19.15,38.59) ; C21.1 v1(25.32,15.74) ; v1(43.25,29.09) 43.25,27.3 C13.1 ; v1(45.37,39.61) 43.73,41.25 WLED3.1 ; v1(16.6,20.44) 16.2,20.44 WLED8.1 ; 27.24,38.12 v1(27.24,39.51) ; v1(23.25,34.79) 23.15,34.79 C18.1 ; v1(41.05,34.89) 40.55,35.39 40.55,36.29 39.76,37.08 C15.1 ; C24.1 41.25,18.09 v1(41.25,17.69) ; v1(48.05,14.69) 47.82,14.69 WLED12.1 ; v1(32.05,16.09) 31.43,15.47 C22.1 30.42,14.12 28.94,12.63 28.94,9.63 WLED10.1
GND: length 133.3
  Top w0.5: 25.79,50.74 v1(25.74,50.79) ; v1(25.79,47.99) 25.79,47.83
  Top w0.8: 17.03,24.41 v1(17.05,24.41) ; v1(37.75,39.54) 37.75,39.54
  Bottom w0.3: U3.38 77.49,39.57
  Bottom w0.5: 26.33,50.99 25.94,50.99 v1(25.74,50.79) ; v1(25.79,47.99) 26.33,47.99 C7.2 ; J8.S1 7.25,33.98
  Bottom w0.8: 30,41.55 31.19,41.55 31.45,41.29 v1(31.45,40.39) 31.45,39.15 C16.2 ; C4.2 72.9,12.86 C5.2 77.6,14.21 77.6,18.13 U3.1 ; WLED5.3 23.91,38.35 v1(25.05,39.49) 24.35,38.79 24.35,38.18 C17.2 ; J7.A1 51.65,47.99 50.86,47.99 v1(50.33,48.52) 48.71,50.14 40,50.14 39.35,49.49 39.35,49.49 R16.1 ; C3.2 49.75,11.79 v1(48.35,11.79) ; R1.2 14.75,4.99 15.75,4.99 15.95,4.79 JP1.2 ; 34.94,11.83 33.51,13.26 33.51,14.12 ; 38.45,48.79 35.9,48.79 v1(35.65,49.04) 35.65,49.89 37.25,51.49 38.45,51.49 ; J8.S1 7.65,41.89 7.65,41.22 ; 18.35,31.99 v1(19.65,31.99) 21.11,31.99 ; SW3.2 55.2,22.44 v1(55.25,22.49) ; 72.44,50.58 72.44,47.9 71.44,46.89 66.63,46.89 65.64,47.88 65.64,50.53 J9.A1 ; U3.38 77.49,34.61 v1(77.16,34.28) ; C23.2 40.51,15.24 v1(40.71,15.24) 41.78,15.24 WLED11.3 ; v1(17.05,24.41) 17.22,24.24 WLED7.3 18.57,24.24 C19.2 ; J3.A1 3.15,19.39 v1(2.4,18.64) 2.4,12.37 1.96,11.93 1.96,10.85 2.45,10.36 J1.A1 ; WLED3.3 v1(37.75,39.54) 37.75,38.21 ; WLED8.3 20.8,18.05 C20.2 22.65,19.9 22.65,22.39 v1(22.05,22.99) ; 27.12,13.39 v1(27.12,14.24) ; 27.12,13.39 27.12,12.68 ; 27.12,13.39 C21.2 ; C14.2 43.61,33.95 v1(43.85,34.19) 44.13,34.47 44.13,36.21 ; WLED1.3 46.35,29.18 v1(45.85,28.69) C13.2 ; U2.1 41.97,2.99 C2.2 C1.2 ; C10.2 3.01,28.13 v1(1.83,29.31) 1.45,29.69 1.45,33.21 J8.S1 ; EC1.2 34.35,24.56 v1(34.35,24.49)
  vias: v1(33.96,12.8) v1(36.75,22.79) v1(70.85,46.89)
18: length 17.7
  In1.Cu w0.3: v1(67.33,37.29) 67.33,41.42 v1(74.44,48.54)
  Bottom w0.3: U3.30 v1(67.33,37.29) ; 74.44,50.54 74.44,48.54 v1(74.44,48.54)
19: length 17.9
  In1.Cu w0.3: v1(75.44,48.53) 75.44,48.48 74.65,47.69 74.35,47.69 68.47,41.81 v1(68.47,37.31)
  Bottom w0.3: v1(75.44,48.53) 75.43,48.55 75.43,50.53 ; v1(68.47,37.31) 68.6,37.19 68.6,35.74
23: length 15.5
  In2.Cu w0.3: v1(75.61,38.05) 75.06,38.6 75.06,46.87 v1(76.48,48.29)
  Bottom w0.3: D1.2 74.85,38.81 v1(75.61,38.05) 76.22,37.44 U3.37
/BATTERY_POWER: length 37.5
  In1.Cu w0.8: v1(5.75,5.49) 6.15,5.49 10.05,9.39 v1(10.05,13.79)
  In2.Cu w0.8: v1(5.75,5.49) 7.15,4.09 23.55,4.09 v1(24.05,4.59)
  Bottom w0.8: JP2.1 9.75,14.09 v1(10.05,13.79) ; 5.43,6.99 5.45,6.96 5.45,5.79 v1(5.75,5.49) 6.65,4.59 U1.3 ; SW1.1 24.12,4.52 v1(24.05,4.59)
/BATTERY_POWER_BUS: length 157.4
  In1.Cu w0.3: v1(50.05,52.19) 66.85,52.19 69.73,49.31 v1(69.73,48.43)
  In1.Cu w0.8: v1(28.65,39.49) 28.65,49.29 25.35,52.59 v1(24.75,52.59) ; v1(19.64,12.81) 19.64,14.48 22.4,17.24 v1(23.88,17.24)
  In2.Cu w0.8: v1(35.95,2.69) 35.95,2.84 32,6.79 24.95,6.79 19.64,12.1 v1(19.64,12.81) 18.66,13.79 v1(11.25,13.79) ; v1(50.05,52.19) 25.15,52.19 v1(24.75,52.59)
  Bottom w0.3: J9.A5 69.68,48.48 v1(69.73,48.43) ; C6.1 22.71,51.29 U4.16
  Bottom w0.8: U2.3 43.35,7.59 41.65,5.89 41.65,4.74 37.41,4.74 35.95,3.29 v1(35.95,2.69) ; v1(23.88,17.24) 23.88,20.6 24.49,21.21 JPw1.1 ; JPw1.1 28.43,26.7 EC1.1 ; JPw1.1 28.65,30.86 v1(28.65,39.49) ; v1(24.75,52.59) 24.55,52.39 C6.1 ; J3.A2 8.4,20.39 11.05,17.74 JP2.2 11.05,13.99 v1(11.25,13.79)
/CHARGE_STATUS: length 77
  In1.Cu w0.3: v1(70.64,16.7) 70.55,16.79 68.04,16.79 67.7,16.45 67.7,15.94 66.65,14.89 54.85,14.89 41.75,1.79 6.95,1.79 v1(6.05,2.69)
  Bottom w0.3: U3.6 71.14,17.19 v1(70.64,16.7) 69.85,15.9 R17.1 ; U1.1 v1(6.05,2.69)
/ESP32/D+: length 7.8
  Bottom w0.3: 17.28,47.11 14.08,50.31 12.23,50.31 R5.1
/ESP32/D-: length 2.8
  Bottom w0.3: R4.1 16.05,44.49 16.05,46.65 U4.6
/ESP32/LED_DATA_OUT: length 31
  In2.Cu w0.3: v1(65.25,37.18) 55.34,37.18 48.35,30.19 v1(41.95,30.19)
  Bottom w0.3: U3.29 66.06,36.38 v1(65.25,37.18) ; R6.2 41.95,28.66 v1(41.95,30.19)
/ESP32/SSERIAL_RX: length 37.4
  In1.Cu w0.3: v1(68.8,32.84) 75.35,26.29 75.35,10.29 v1(74.35,9.29)
  Bottom w0.3: v1(74.35,9.29) J10.A3 ; v1(68.8,32.84) 67,34.64 64.84,34.64 64.79,34.69 U3.28
/ESP32/SSERIAL_TX: length 37.2
  In1.Cu w0.3: v1(73.35,9.19) 73.35,11.19 74.75,12.59 74.75,25.57 v1(68.39,31.93)
  Bottom w0.3: 63.74,35.52 63.74,34.89 64.49,34.14 66.21,34.14 68.39,31.97 v1(68.39,31.93) ; J10.A4 v1(73.35,9.19)
/ESP32/USB ESP32 CH340 Interface /ESP_EN: length 53.9
  In1.Cu w0.3: v1(65.75,39.59) 65.75,37.74 v1(73.7,29.79) ; v1(55.05,16.89) 58.85,20.69 73.3,20.69 v1(73.7,20.29)
  In2.Cu w0.3: v1(73.7,29.79) 74.35,29.14 74.35,20.94 v1(73.7,20.29)
  Bottom w0.3: Q2.3 65.75,40.49 v1(65.75,39.59) ; SW3.1 55.2,16.74 v1(55.05,16.89) ; C4.1 73.65,14.99 74.95,16.28 U3.3 74.95,19.69 74.35,20.29 v1(73.7,20.29)
/ESP32/USB ESP32 CH340 Interface /ESP_IO0: length 11.1
  Bottom w0.3: Q1.3 54.55,32.52 54.55,36.34 SW2.1 55.25,37.04 59.68,37.04 60.98,35.74
/ESP32/USB ESP32 CH340 Interface /RxD_B: length 63.9
  In2.Cu w0.3: v1(73.55,37.19) 72.15,38.59 48.45,38.59 40.2,46.84 23.16,46.84 20.76,49.24 20.14,49.24 19.53,48.63 v1(19.53,48.01)
  Bottom w0.3: U4.3 19.82,47.72 v1(19.53,48.01) ; 73.68,36.79 U3.35 73.68,37.06 v1(73.55,37.19)
/ESP32/USB ESP32 CH340 Interface /TxD_B: length 61.3
  In2.Cu w0.3: v1(20.45,48.49) 22.65,46.29 39.75,46.29 47.95,38.09 71.45,38.09 v1(72.25,37.29)
  Bottom w0.3: v1(20.45,48.49) 21.09,47.85 U4.2 ; v1(72.25,37.29) 72.41,37.13 U3.34 72.41,36.89
/USB/D+: length 17.5
  Bottom w0.3: J8.A6 8.98,37.47 9.55,38.04 9.55,41.65 10.11,42.21 10.11,47.33 C9.1 ; J8.B6 6.89,38.22 7.64,37.47 ; R5.2 9.25,48.39
/USB/D-: length 15.3
  In1.Cu w0.3: v1(5.25,37.89) 5.45,37.69 7.85,37.69 v1(8.65,38.49) 9.45,38.49 v1(10.4,39.44)
  Bottom w0.3: J8.B7 5.42,37.72 v1(5.25,37.89) ; R4.2 14.09,42.09 C11.1 11.91,40.95 v1(10.4,39.44) ; J8.A7 8.63,38.47 v1(8.65,38.49)
/USB_POWER: length 39.2
  In1.Cu w0.8: v1(11.05,8.99) 13.59,11.53 v1(13.59,17.73) 13.59,18.65 5.23,27.01 v1(5.23,29.19)
  Bottom w0.8: U1.4 10,4.64 C25.1 10,7.94 v1(11.05,8.99) ; FB1.2 8.26,30.46 8.26,30.45 C12.1 ; 5.23,30.46 5.23,28.03 C10.1 ; v1(13.59,17.73) 13.59,17.43 JP2.3
/WS2812b LEDs/DATA_IN: length 25.3
  Bottom w0.3: 50.31,29.18 45.85,24.71 43.51,24.71 42.65,25.57 R6.1 39.68,24.39 35.45,24.39 31.3,20.24 JP3.1
/WS2812b LEDs/DATA_OUT: length 11.3
  Bottom w0.3: 44.13,17.16 43.41,16.44 41.44,16.44 39.48,18.4 JP3.3
SCL: length 19.6
  In1.Cu w0.3: v1(74.55,37.99) 73.41,37.99 v1(70.11,41.29)
  In2.Cu w0.3: v1(67.45,43.59) 66.64,44.4 v1(66.64,48.29)
  Bottom w0.3: v1(70.11,41.29) 68.95,41.29 R8.2 67.45,42.79 v1(67.45,43.59) ; v1(74.55,37.99) 74.95,37.59 U3.36 ; v1(66.64,48.29) 66.68,48.33 J9.A2
SDA: length 18.6
  In1.Cu w0.3: v1(71.15,37.08) 69.36,38.87 69.36,41.64 v1(70.18,42.46)
  In2.Cu w0.3: v1(70.18,42.46) 70.18,45.76 67.65,48.3 v1(67.64,48.3)
  Bottom w0.3: J9.A3 67.68,48.33 v1(67.64,48.3) ; U3.33 71.14,37.07 v1(71.15,37.08) ; v1(70.18,42.46) 70.55,42.46 R9.2
Net-(C8-Pad1): length 23.9
  Bottom w0.25: 5.71,36.72 J8.B9 6.85,36.72 7.12,36.44 7.64,36.44 ; 5.71,36.72 5.69,36.69 5.69,36.89 5.71,36.89 5.88,36.72 ; 5.71,36.72 5.88,36.72 ; 5.41,36.85 4.89,36.85 4.35,37.39 4.35,38.59 4.98,39.22 J8.B4 ; J8.B4 6.98,39.22 6.99,39.22 6.99,39.39 7.06,39.47 J8.A9 8.26,39.47 9.05,40.26 9.05,45.06 C8.1 ; J8.B4 6.96,39.22 6.99,39.24 ; 5.88,36.72 5.75,36.59
  Bottom w0.8: FB1.1 3.04,31.98 5.41,34.35 5.41,36.85
Net-(D1-K): length 2.2
  Bottom w0.3: D1.1 77.1,41.66
Net-(D2-A): length 2.9
  Bottom w0.3: D2.2 R16.2
Net-(D2-K): length 44.4
  In1.Cu w0.3: v1(57.95,33.69) 53.47,38.17 53.47,38.57 v1(49.85,42.19)
  Bottom w0.3: D2.1 46.65,48.2 46.65,44.29 46.95,43.99 R14.2 47.85,42.79 48.45,42.19 v1(49.85,42.19) ; U3.11 64.79,20.02 66.05,21.29 66.05,32.09 65.57,32.57 63.37,32.57 62.25,33.69 v1(57.95,33.69)
Net-(D3-A): length 2.9
  Bottom w0.3: R15.2 D3.2
Net-(D3-K): length 49.3
  In1.Cu w0.3: v1(57.91,34.79) 54.45,38.25 54.45,39.9 53.55,40.8 v1(53.55,42.34) 53.55,46.79 v1(50.05,50.29)
  Bottom w0.3: v1(50.05,50.29) 48.75,51.59 D3.1 ; R13.2 52.2,42.34 v1(53.55,42.34) ; U3.10 66.06,20.19 66.55,20.69 66.55,32.39 65.8,33.14 64.07,33.14 63.07,34.14 62.51,34.14 62.36,34.29 58.41,34.29 v1(57.91,34.79)
Net-(J7-PadA3): length 9.2
  In2.Cu w0.3: v1(49.55,47.49) 49.85,47.19 52.45,47.19 v1(53.66,48.4)
  Bottom w0.3: R14.1 48.05,45.99 v1(49.55,47.49) ; J7.A3 53.65,48.4 v1(53.66,48.4)
Net-(J7-PadA4): length 9.8
  In2.Cu w0.3: v1(54.65,48.29) 52.45,46.09 v1(52.45,43.19)
  Bottom w0.3: J7.A4 v1(54.65,48.29) ; R13.1 52.35,43.09 v1(52.45,43.19)
Net-(J8-CC1): length 3.9
  Bottom w0.25: R12.2 9.25,35.09 8.55,35.79 8.55,36.73 8.31,36.97 J8.A5
Net-(JP1-A): length 3.4
  Bottom w0.8: JP1.1 17.15,6.09 15.35,7.89 R2.2
Net-(JP1-B): length 3.2
  Bottom w0.8: JP1.3 16.95,3.49 15.55,2.09 R3.2
Net-(JP3-C): length 35
  In2.Cu w0.3: v1(9.15,21.39) 12.06,18.48 32.46,18.48 v1(34.35,16.59)
  Bottom w0.3: JP3.2 32.6,17.35 33.36,16.59 v1(34.35,16.59) ; J3.A3 v1(9.15,21.39)
Net-(Q1-B): length 8.9
  In1.Cu w0.3: v1(57.47,36.29) 57.07,36.69 v1(57.07,39.73)
  In2.Cu w0.3: v1(56.05,34.49) 57.47,35.91 v1(57.47,36.29)
  Bottom w0.3: 58.81,39.73 v1(57.07,39.73) ; Q1.1 56.4,34.14 v1(56.05,34.49)
Net-(Q1-E): length 58.7
  In1.Cu w0.3: v1(56.35,32.49) 56.14,32.49 51.45,37.18 v1(51.45,39.39)
  In2.Cu w0.3: v1(30.25,47.79) 30.52,47.52 40.32,47.52 48.45,39.39 v1(51.45,39.39)
  Bottom w0.3: 56.35,31.58 v1(56.35,32.49) ; v1(51.45,39.39) 55.34,39.39 56.49,40.54 60.45,40.54 R11.1 ; 18.55,51.23 20.04,49.74 21.07,49.74 21.33,49.48 27.2,49.48 28.89,47.79 v1(30.25,47.79)
Net-(Q2-B): length 2.3
  Bottom w0.3: Q2.1 61.52,39.61
Net-(Q2-E): length 49.9
  In2.Cu w0.3: v1(57.45,41.59) 52.45,41.59 51.15,40.29 48.75,40.29 41.02,48.02 31.79,48.02 v1(30.38,49.42)
  Bottom w0.3: v1(57.45,41.59) R10.1 59.21,41.59 60.16,42.54 62.78,42.54 Q2.2 ; v1(30.38,49.42) 29.77,50.04 21.47,50.04 21.27,50.24 20.81,50.24 19.82,51.23
Net-(SW1-B): length 22.6
  In2.Cu w0.8: v1(22.1,6.68) 21.34,6.68 15.43,12.59 v1(8.85,12.59)
  Bottom w0.8: v1(22.1,6.68) 22.7,6.08 SW1.2 ; J1.A2 7.62,11.36 v1(8.85,12.59)
Net-(U1-PROG): length 8.9
  Bottom w0.8: U1.5 10.15,2.89 10.85,2.89 11.65,2.09 R3.1 R1.1 R2.1
Net-(U3-GPIO2(T2)): length 35.8
  In1.Cu w0.3: v1(56.5,13.59) 60.62,13.59 63.51,10.69 v1(63.51,10.43)
  In2.Cu w0.3: v1(56.5,13.59) 56.5,22.04 56.75,22.29 56.75,24.4 57.05,24.7 57.05,31.08 v1(58.35,32.39)
  Bottom w0.3: U3.24 58.68,32.71 v1(58.35,32.39) ; v1(63.51,10.43) 63.35,10.27 J6.A1
Net-(U3-GPIO4(T0)): length 33.2
  In2.Cu w0.3: v1(67.35,31.89) 67.45,31.79 v1(67.45,8.39)
  Bottom w0.3: U3.26 62.25,35.11 62.72,34.64 63.28,34.64 64.28,33.64 66.01,33.64 67.35,32.3 v1(67.35,31.89) ; 67.06,6.2 67.06,8 v1(67.45,8.39)
Net-(U3-GPIO12(T5)): length 14.3
  Bottom w0.3: J6.A4 60.31,4.28 60.31,13.15 60.75,13.59 60.75,18.01 60.98,18.24
Net-(U3-GPIO13(T4)): length 21.2
  In2.Cu w0.25: v1(59.23,17.11) 59.23,10.01 v1(61.35,7.89)
  Bottom w0.25: v1(59.23,17.11) 59.23,18.37 61.15,20.29 61.15,22.12 60.73,22.55 U3.16
  Bottom w0.3: J6.A3 v1(61.35,7.89)
Net-(U3-GPIO14(T6)): length 15.4
  Top w0.3: v1(59.38,7.89) 59.38,12.92 62.4,15.94 v1(62.45,15.94)
  Bottom w0.3: J6.A5 59.35,7.86 v1(59.38,7.89) ; U3.13 62.25,16.15 v1(62.45,15.94)
Net-(U3-GPIO15(T3)): length 35.3
  In1.Cu w0.3: v1(62.44,9.41) 62.44,11.06 61.63,11.87 v1(56.85,11.87)
  In2.Cu w0.3: v1(58.45,31.39) 58.45,25.39 57.25,24.19 57.25,12.27 v1(56.85,11.87)
  Bottom w0.3: 58.68,31.44 U3.23 58.5,31.44 v1(58.45,31.39) ; v1(62.44,9.41) 62.35,9.33 J6.A2
Net-(U3-GPIO27(T7)): length 20.6
  In2.Cu w0.3: v1(63.55,16.69) 62.35,17.89 58.95,17.89 58.35,17.29 v1(58.35,7.89)
  Bottom w0.3: U3.12 63.55,18.2 v1(63.55,16.69) ; J6.A6 v1(58.35,7.89)
Net-(U3-GPIO32(T9)): length 22.5
  In1.Cu w0.25: v1(56.35,7.89) 57.15,8.69 62.95,8.69 68.45,14.19 v1(68.45,16.04)
  Bottom w0.3: 68.6,18.24 68.6,16.19 v1(68.45,16.04) ; J6.A8 v1(56.35,7.89)
Net-(U3-GPIO33(T8)): length 19.6
  In1.Cu w0.3: v1(61.51,10.93) 59.07,10.93 v1(57.55,9.41)
  In2.Cu w0.3: v1(61.51,10.93) 66.7,16.12 v1(66.7,16.5)
  Bottom w0.3: v1(57.55,9.41) 57.35,9.21 J6.A7 ; U3.9 67.33,17.13 v1(66.7,16.5)
Net-(U3-SCK/CLK): length 25.7
  Top w0.3: v1(59.88,48.29) 59.88,36.26 62.65,33.49 62.65,31.35 v1(62.54,31.25)
  Bottom w0.3: v1(62.54,31.25) 62.54,29.76 60.42,27.63 U3.20 ; 59.95,50.5 59.95,48.35 v1(59.88,48.29)
Net-(U3-SCS/CMD): length 26.5
  Top w0.3: v1(60.88,48.34) 60.88,36.36 63.29,33.95 v1(63.29,30.52)
  Bottom w0.3: 60.94,50.51 60.94,48.41 v1(60.88,48.34) ; 60.21,26.36 63.29,29.45 v1(63.29,30.52)
Net-(U3-SDI/SD1): length 22.9
  Top w0.3: v1(61.1,32.63) 61.1,32.66 58.22,35.54 58.22,47.95 v1(57.85,48.32)
  Bottom w0.3: v1(61.1,32.63) 61.1,30.5 60.78,30.17 U3.22 ; 57.85,50.54 v1(57.85,48.32)
Net-(U3-SDO/SD0): length 24.4
  Top w0.3: v1(58.88,48.35) 58.88,36.02 61.87,33.03 v1(61.87,31.98)
  Bottom w0.3: 58.95,50.5 58.95,48.41 v1(58.88,48.35) ; v1(61.87,31.98) 61.8,31.91 61.8,29.92 60.78,28.9 U3.21
Net-(U3-SENSOR_VN): length 15
  In2.Cu w0.3: v1(75.35,9.19) 75.35,9.39 72.41,12.33 v1(72.41,16.91)
  Bottom w0.3: U3.5 v1(72.41,16.91) ; J10.A2 v1(75.35,9.19)
Net-(U3-SENSOR_VP): length 14.9
  In2.Cu w0.3: v1(76.35,9.29) 76.35,9.49 73.65,12.19 v1(73.65,16.89)
  Bottom w0.3: J10.A1 v1(76.35,9.29) ; v1(73.65,16.89) 73.65,18.21 U3.4
Net-(U3-SHD/SD2): length 30.7
  Top w0.3: v1(65.28,30.43) 65.28,33.96 62.89,36.35 v1(62.89,48.28)
  Bottom w0.3: v1(62.89,48.28) 62.88,48.28 J2.A6 ; v1(65.28,30.43) 65.28,28.33 60.78,23.82 U3.17
Net-(U3-SWP/SD3): length 28.2
  Top w0.3: v1(64.29,30.39) 64.29,33.95 61.87,36.37 v1(61.87,48.26)
  Bottom w0.3: v1(61.87,48.26) 61.88,48.26 J2.A5 ; v1(64.29,30.39) 64.29,29.13 60.25,25.09
Net-(U4-V3): length 7.5
  Bottom w0.3: 18.55,47.11 18.55,48.1 19.69,49.24 20.76,49.24 21.41,48.59 24.35,48.59
Net-(WLED1-DOUT): length 17.9
  In1.Cu w0.3: v1(47.35,34.19) 47.35,33.09 48.75,31.69 48.75,30.59 v1(51.75,27.59)
  Bottom w0.3: WLED2.4 46.99,34.55 v1(47.35,34.19) ; v1(51.75,27.59) 50.75,27.59 47.44,24.28
Net-(WLED2-DOUT): length 15.3
  In2.Cu w0.3: v1(44.35,39.57) 44.25,39.46 44.25,34.89 v1(45.65,33.49)
  Bottom w0.3: v1(44.35,39.57) 43.53,39.57 WLED3.4 ; v1(45.65,33.49) 46.58,32.56 WLED2.2
Net-(WLED3-DOUT): length 15
  Bottom w0.3: WLED3.2 41.99,38.91 37.66,43.24 31.61,43.24 30,44.85
Net-(WLED4-DOUT): length 14.5
  Bottom w0.3: WLED5.4 22.34,42.29 28.84,42.29 28.94,42.39 33.76,42.39 34.6,41.55 34.9,41.55
Net-(WLED5-DOUT): length 14.6
  Bottom w0.3: WLED6.4 21.32,39.46 23.47,39.46 24.81,40.8 WLED5.2
Net-(WLED6-DOUT): length 15.2
  Bottom w0.3: WLED7.4 14.46,24.24 17.3,27.08 17.3,27.7 16.79,28.21 16.79,32.22 WLED6.2
Net-(WLED7-DOUT): length 15.1
  Bottom w0.3: WLED8.4 17.35,16.08 17.35,20.75 16.25,21.85 16.25,25.32 17.8,26.87 17.8,28.93 WLED7.2
Net-(WLED8-DOUT): length 15.1
  Bottom w0.3: WLED9.4 25.55,9.79 17.85,17.49 17.85,20.88 WLED8.2
Net-(WLED10-DIN): length 18.5
  In2.Cu w0.3: v1(21.55,14.89) 21.65,14.99 29.45,14.99 v1(34.8,9.64)
  Bottom w0.3: v1(34.8,9.64) 34.94,9.5 34.94,8.53 ; v1(21.55,14.89) 21.55,14.99 21.9,15.34 22.66,15.34 WLED9.2
Net-(WLED10-DOUT): length 16.4
  Bottom w0.3: WLED10.2 32.34,11.83 33.14,11.03 35.87,11.03 38.28,8.62 40.06,8.62 WLED11.4
Net-(WLED11-DOUT): length 14.7
  Bottom w0.3: WLED12.4 42.28,12.59 37.73,12.59

## Copper pours and planes (outline as drawn; the poured copper is in the pictures)
GND on Top: 86.05,54.39 -1.75,54.39 -2.45,53.69 -2.45,-1.41 -0.65,-3.21 88.35,-3.21 88.35,52.09
GND on Bottom: -3.45,54.19 -2.05,55.59 88.55,55.59 90.05,54.09 90.05,-2.81 88.25,-4.61 -1.35,-4.61 -3.45,-2.51

## Text on the board
Bottom: G | g
B.Mask: g | G
B.Silkscreen: Out | USB | F | G | i | B | Z | n | z | N | 1 | k | j | b | u | I | 5 | e | g | FaerFly | Wren | Imogen | ESP32 | Power | MCU
F.Mask: o | F | G | g | Personal Projects & Education | Digital & Analog Audio Projects
F.Silkscreen: j | I | k | 1 | i | u | Imogen | W | Wren | H | G | F | s | PanGalacticTech.com | Product | Electronics & Automation | Embedded Systems Development | Design | github.com/PanGalacticTech | github.com/Imogen-Wren-Studios | github.com/ImogenWren
